# Altium PCB STM32F7_CoreBoard.PcbDoc (part 4 of 8) (continued)
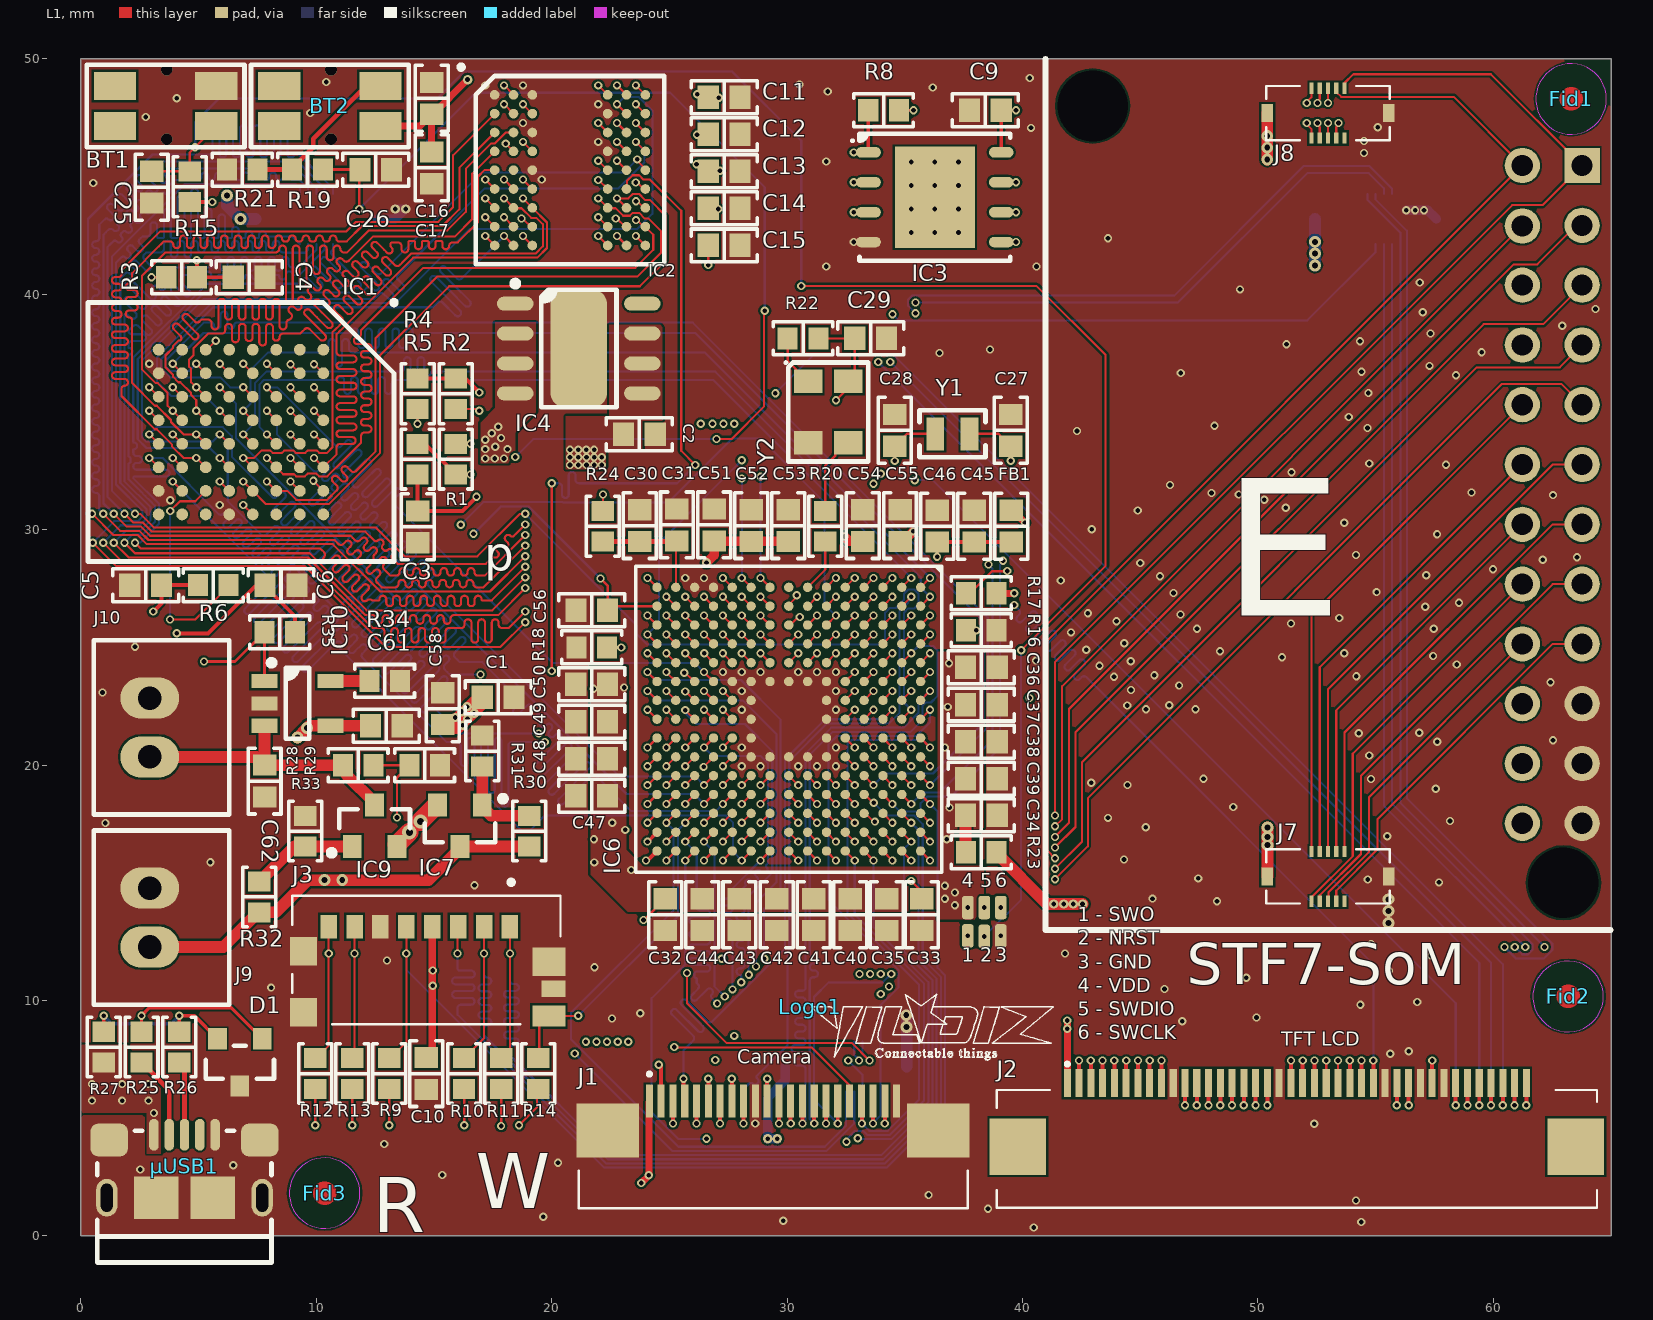
[diagram p0: L1 view]
## Nets (pads, with @x,y where several pads share a name; then routed paths per layer and width w, separated by ;. In a path a pad name is that pad's centre, name@x,y a point inside that pad or via, vN(x,y) a via of type N, cw(c..) or ccw(c..) an arc to the next point about the centre after c; other vN are vias at no path point) (continued)
  L3 w0.089: v1(4.9,35.05) 4.4,34.55 4.4,28.325 9.234,23.491 ccw(c9.336,23.593) 9.439,23.491 9.829,23.881 cw(c9.931,23.779) 10.033,23.881 cw(c9.931,23.779) 10.033,23.677 9.541,23.184 9.299,22.943 ccw(c9.401,22.841) 9.299,22.739 ccw(c9.401,22.841) 9.504,22.739 9.745,22.98 10.237,23.473 cw(c10.34,23.37) 10.442,23.473 cw(c10.34,23.37) 10.442,23.268 9.949,22.776 9.708,22.534 ccw(c9.81,22.432) 9.708,22.33 ccw(c9.81,22.432) 9.912,22.33 10.153,22.572 10.646,23.064 cw(c10.748,22.962) 10.85,23.064 cw(c10.748,22.962) 10.85,22.86 10.358,22.367 10.116,22.126 ccw(c10.218,22.024) 10.116,21.922 ccw(c10.218,22.024) 10.321,21.922 10.562,22.163 11.055,22.655 cw(c11.157,22.553) 11.259,22.655 cw(c11.157,22.553) 11.259,22.451 10.766,21.959 10.525,21.717 ccw(c10.627,21.615) 10.525,21.513 ccw(c10.627,21.615) 10.729,21.513 10.971,21.754 11.463,22.247 cw(c11.565,22.145) 11.667,22.247 cw(c11.565,22.145) 11.667,22.043 11.175,21.55 10.933,21.309 ccw(c11.036,21.207) 10.933,21.104 ccw(c11.036,21.207) 11.138,21.104 11.379,21.346 11.872,21.838 cw(c11.974,21.736) 12.076,21.838 cw(c11.974,21.736) 12.076,21.634 11.583,21.142 11.342,20.9 ccw(c11.444,20.798) 11.342,20.696 ccw(c11.444,20.798) 11.546,20.696 11.788,20.937 12.28,21.43 cw(c12.382,21.328) 12.485,21.43 cw(c12.382,21.328) 12.485,21.225 11.992,20.733 11.751,20.492 ccw(c11.853,20.389) 11.751,20.287 ccw(c11.853,20.389) 11.955,20.287 12.196,20.529 12.689,21.021 cw(c12.791,20.919) 12.893,21.021 cw(c12.791,20.919) 12.893,20.817 12.401,20.324 12.159,20.083 ccw(c12.261,19.981) 12.159,19.879 ccw(c12.261,19.981) 12.363,19.879 12.605,20.12 13.097,20.613 cw(c13.2,20.51) 13.302,20.613 cw(c13.2,20.51) 13.302,20.408 12.809,19.916 12.568,19.674 ccw(c12.67,19.572) 12.568,19.47 ccw(c12.67,19.572) 12.772,19.47 13.013,19.712 13.506,20.204 cw(c13.608,20.102) 13.71,20.204 cw(c13.608,20.102) 13.71,20 13.218,19.507 12.976,19.266 ccw(c13.078,19.164) 12.976,19.062 ccw(c13.078,19.164) 13.181,19.062 13.422,19.303 13.915,19.795 cw(c14.017,19.693) 14.119,19.795 cw(c14.017,19.693) 14.119,19.591 13.626,19.099 13.385,18.857 ccw(c13.487,18.755) 13.385,18.653 ccw(c13.487,18.755) 13.589,18.653 13.831,18.894 14.323,19.387 cw(c14.425,19.285) 14.527,19.387 cw(c14.425,19.285) 14.527,19.183 14.137,18.792 ccw(c14.239,18.69) 14.137,18.588 14.225,18.5 14.388,18.337 24.056,18.337 v1(24.07,18.352)
D11: IC1.G4 IC4.C2 IC6.P11 | length 97.1
  L1 w0.089: IC1.G4@4.3,34.65 3.683,35.267 3.683,35.809 3.263,36.229 3.179,36.229 2.592,36.816 2.592,40.78 3.595,41.783 8.275,41.783 ccw(c8.275,41.928) 8.419,41.928 cw(c8.564,41.928) 8.564,42.072 cw(c8.564,41.928) 8.708,41.928 8.708,41.783 8.708,39.799 ccw(c8.853,39.799) 8.853,39.655 ccw(c8.853,39.799) 8.997,39.799 8.997,41.783 8.997,41.928 cw(c9.142,41.928) 9.142,42.072 cw(c9.142,41.928) 9.286,41.928 9.286,41.783 9.286,40.472 ccw(c9.431,40.472) 9.431,40.328 ccw(c9.431,40.472) 9.575,40.472 9.575,41.783 9.575,41.928 cw(c9.719,41.928) 9.719,42.072 cw(c9.719,41.928) 9.864,41.928 9.864,41.783 9.864,41.002 ccw(c10.008,41.002) 10.008,40.857 ccw(c10.008,41.002) 10.153,41.002 10.153,41.783 10.153,41.928 cw(c10.297,41.928) 10.297,42.072 cw(c10.297,41.928) 10.442,41.928 10.442,41.783 10.442,41.593 ccw(c10.586,41.593) 10.586,41.449 ccw(c10.586,41.593) 10.731,41.593 10.731,41.783 10.731,41.928 cw(c10.875,41.928) 10.875,42.072 cw(c10.875,41.928) 11.02,41.928 ccw(c11.164,41.928) 11.164,41.783 11.308,41.783 12.239,42.714 15.564,42.714 16.35,43.5 16.35,45.328 17.435,46.413 17.592,46.413 18.053,46.875 IC4.C2@18.375,46.875 ; v1(24.87,19.152) IC6.P11@25.27,19.552
  L3 w0.089: v1(3.9,35.05) 4.222,34.728 4.222,27.544 4.333,27.433 4.381,27.385 cw(c4.279,27.283) 4.381,27.181 3.984,26.784 ccw(c4.086,26.681) 3.984,26.579 ccw(c4.086,26.681) 4.188,26.579 4.687,27.079 4.939,27.33 cw(c5.041,27.228) 5.143,27.33 cw(c5.041,27.228) 5.143,27.126 4.891,26.874 4.392,26.375 ccw(c4.494,26.273) 4.392,26.171 ccw(c4.494,26.273) 4.596,26.171 5.096,26.67 5.348,26.922 cw(c5.45,26.82) 5.552,26.922 cw(c5.45,26.82) 5.552,26.717 5.3,26.466 4.801,25.966 ccw(c4.903,25.864) 4.801,25.762 ccw(c4.903,25.864) 5.005,25.762 5.504,26.261 5.756,26.513 cw(c5.858,26.411) 5.96,26.513 cw(c5.858,26.411) 5.96,26.309 5.709,26.057 5.209,25.558 ccw(c5.311,25.456) 5.209,25.354 ccw(c5.311,25.456) 5.414,25.354 5.913,25.853 6.165,26.105 cw(c6.267,26.002) 6.369,26.105 cw(c6.267,26.002) 6.369,25.9 6.117,25.649 5.618,25.149 ccw(c5.72,25.047) 5.618,24.945 ccw(c5.72,25.047) 5.822,24.945 6.321,25.444 6.573,25.696 cw(c6.675,25.594) 6.778,25.696 cw(c6.675,25.594) 6.778,25.492 6.526,25.24 6.026,24.741 ccw(c6.129,24.639) 6.026,24.536 ccw(c6.129,24.639) 6.231,24.536 6.73,25.036 6.982,25.287 cw(c7.084,25.185) 7.186,25.287 cw(c7.084,25.185) 7.186,25.083 6.934,24.831 6.435,24.332 ccw(c6.537,24.23) 6.435,24.128 ccw(c6.537,24.23) 6.639,24.128 7.139,24.627 7.39,24.879 cw(c7.493,24.777) 7.595,24.879 cw(c7.493,24.777) 7.595,24.675 7.343,24.423 6.844,23.924 ccw(c6.946,23.821) 6.844,23.719 ccw(c6.946,23.821) 7.048,23.719 7.547,24.219 7.799,24.47 cw(c7.901,24.368) 8.003,24.47 cw(c7.901,24.368) 8.003,24.266 7.751,24.014 7.252,23.515 ccw(c7.354,23.413) 7.252,23.311 ccw(c7.354,23.413) 7.456,23.311 7.956,23.81 8.208,24.062 cw(c8.31,23.96) 8.412,24.062 cw(c8.31,23.96) 8.412,23.858 8.16,23.606 7.661,23.106 ccw(c7.763,23.004) 7.661,22.902 ccw(c7.763,23.004) 7.865,22.902 8.364,23.401 8.616,23.653 cw(c8.718,23.551) 8.82,23.653 cw(c8.718,23.551) 8.82,23.449 8.569,23.197 8.069,22.698 ccw(c8.171,22.596) 8.069,22.494 ccw(c8.171,22.596) 8.274,22.494 8.671,22.891 cw(c8.773,22.789) 8.875,22.891 13.728,18.038 24.192,18.038 24.506,18.352 24.506,18.788 v1(24.87,19.152)
D12: IC1.F5 IC4.C1 IC6.R11 | length 96.9
  L1 w0.089: IC1.F5@5.3,33.65 v1(4.9,34.05) 4.358,34.05 3.829,34.579 3.829,34.663 3.225,35.267 3.141,35.267 2.175,36.233 2.175,38.85 2.175,38.894 ccw(c2.047,38.894) 2.047,39.022 cw(c2.047,39.167) 1.903,39.167 cw(c2.047,39.167) 2.047,39.311 2.175,39.311 2.269,39.311 ccw(c2.269,39.456) 2.414,39.456 ccw(c2.269,39.456) 2.269,39.6 2.175,39.6 2.047,39.6 cw(c2.047,39.744) 1.903,39.744 cw(c2.047,39.744) 2.047,39.889 2.175,39.889 2.269,39.889 ccw(c2.269,40.033) 2.414,40.033 ccw(c2.269,40.033) 2.269,40.178 2.175,40.178 2.047,40.178 cw(c2.047,40.322) 1.903,40.322 cw(c2.047,40.322) 2.047,40.467 ccw(c2.047,40.594) 2.175,40.594 2.175,40.756 2.175,40.9 3.313,42.038 3.423,42.148 3.525,42.25 3.635,42.25 3.78,42.25 cw(c3.78,42.106) 3.924,42.106 ccw(c4.069,42.106) 4.069,41.961 ccw(c4.069,42.106) 4.213,42.106 4.213,42.25 4.213,42.353 cw(c4.358,42.353) 4.358,42.498 cw(c4.358,42.353) 4.502,42.353 4.502,42.25 4.502,42.106 ccw(c4.646,42.106) 4.646,41.961 ccw(c4.646,42.106) 4.791,42.106 4.791,42.25 4.791,42.353 cw(c4.935,42.353) 4.935,42.498 cw(c4.935,42.353) 5.08,42.353 5.08,42.25 5.08,42.106 ccw(c5.224,42.106) 5.224,41.961 ccw(c5.224,42.106) 5.369,42.106 5.369,42.25 5.369,42.353 cw(c5.513,42.353) 5.513,42.498 cw(c5.513,42.353) 5.658,42.353 5.658,42.25 5.658,42.106 ccw(c5.802,42.106) 5.802,41.961 ccw(c5.802,42.106) 5.946,42.106 5.946,42.25 5.946,42.353 cw(c6.091,42.353) 6.091,42.498 cw(c6.091,42.353) 6.235,42.353 6.235,42.25 6.235,42.106 ccw(c6.38,42.106) 6.38,41.961 ccw(c6.38,42.106) 6.524,42.106 6.524,42.25 6.524,42.353 cw(c6.669,42.353) 6.669,42.498 cw(c6.669,42.353) 6.813,42.353 6.813,42.25 6.813,42.106 ccw(c6.958,42.106) 6.958,41.961 ccw(c6.958,42.106) 7.102,42.106 7.102,42.25 7.102,42.353 cw(c7.247,42.353) 7.247,42.498 cw(c7.247,42.353) 7.391,42.353 7.391,42.25 7.391,42.106 ccw(c7.535,42.106) 7.535,41.961 ccw(c7.535,42.106) 7.68,42.106 7.68,42.25 7.68,42.353 cw(c7.824,42.353) 7.824,42.498 cw(c7.824,42.353) 7.969,42.353 7.969,42.25 7.969,42.106 ccw(c8.113,42.106) 8.113,41.961 ccw(c8.113,42.106) 8.258,42.106 8.258,42.25 8.258,42.353 cw(c8.402,42.353) 8.402,42.498 cw(c8.402,42.353) 8.547,42.353 ccw(c8.65,42.353) 8.65,42.25 8.732,42.25 ccw(c8.732,42.353) 8.835,42.353 cw(c8.98,42.353) 8.98,42.498 cw(c8.98,42.353) 9.124,42.353 ccw(c9.228,42.353) 9.228,42.25 9.31,42.25 ccw(c9.31,42.353) 9.413,42.353 cw(c9.558,42.353) 9.558,42.498 cw(c9.558,42.353) 9.702,42.353 ccw(c9.806,42.353) 9.806,42.25 9.888,42.25 ccw(c9.888,42.353) 9.991,42.353 cw(c10.136,42.353) 10.136,42.498 cw(c10.136,42.353) 10.28,42.353 ccw(c10.383,42.353) 10.383,42.25 10.465,42.25 ccw(c10.465,42.353) 10.569,42.353 cw(c10.713,42.353) 10.713,42.498 cw(c10.713,42.353) 10.858,42.353 ccw(c10.961,42.353) 10.961,42.25 11.147,42.25 11.291,42.25 11.941,42.9 15.361,42.9 16.075,43.614 16.075,45.375 IC4.C1@17.575,46.875 ; v1(24.07,19.152) IC6.R11@24.47,19.552
  L3 w0.089: v1(4.9,34.05) 4.592,33.742 4.592,29.574 5.508,28.658 5.61,28.556 5.712,28.454 cw(c5.61,28.351) 5.712,28.249 5.327,27.865 ccw(c5.43,27.763) 5.327,27.66 ccw(c5.43,27.763) 5.532,27.66 5.916,28.045 cw(c6.019,27.943) 6.121,28.045 cw(c6.019,27.943) 6.121,27.841 5.736,27.456 ccw(c5.838,27.354) 5.736,27.252 ccw(c5.838,27.354) 5.94,27.252 6.325,27.636 cw(c6.427,27.534) 6.529,27.636 cw(c6.427,27.534) 6.529,27.432 6.145,27.048 ccw(c6.247,26.945) 6.145,26.843 ccw(c6.247,26.945) 6.349,26.843 6.734,27.228 cw(c6.836,27.126) 6.938,27.228 cw(c6.836,27.126) 6.938,27.024 6.553,26.639 ccw(c6.655,26.537) 6.553,26.435 ccw(c6.655,26.537) 6.757,26.435 7.142,26.819 cw(c7.244,26.717) 7.346,26.819 cw(c7.244,26.717) 7.346,26.615 6.962,26.23 ccw(c7.064,26.128) 6.962,26.026 ccw(c7.064,26.128) 7.166,26.026 7.551,26.411 cw(c7.653,26.309) 7.755,26.411 cw(c7.653,26.309) 7.755,26.206 7.37,25.822 ccw(c7.472,25.72) 7.37,25.618 ccw(c7.472,25.72) 7.575,25.618 7.959,26.002 cw(c8.061,25.9) 8.164,26.002 cw(c8.061,25.9) 8.164,25.798 7.779,25.413 ccw(c7.881,25.311) 7.779,25.209 ccw(c7.881,25.311) 7.983,25.209 8.368,25.594 cw(c8.47,25.491) 8.572,25.594 cw(c8.47,25.491) 8.572,25.389 8.187,25.005 ccw(c8.29,24.903) 8.187,24.8 ccw(c8.29,24.903) 8.392,24.8 8.776,25.185 cw(c8.879,25.083) 8.981,25.185 cw(c8.879,25.083) 8.981,24.981 8.596,24.596 ccw(c8.698,24.494) 8.596,24.392 ccw(c8.698,24.494) 8.8,24.392 9.185,24.776 cw(c9.287,24.674) 9.389,24.776 cw(c9.287,24.674) 9.389,24.572 9.005,24.188 ccw(c9.107,24.085) 9.005,23.983 ccw(c9.107,24.085) 9.209,23.983 9.594,24.368 cw(c9.696,24.266) 9.798,24.368 9.9,24.266 10.104,24.061 10.308,23.857 10.513,23.653 10.566,23.6 15.028,19.137 15.35,19.137 15.389,19.137 cw(c15.389,18.993) 15.533,18.993 15.533,18.674 ccw(c15.677,18.674) 15.677,18.53 ccw(c15.677,18.674) 15.822,18.674 15.822,19.137 cw(c15.898,19.137) 15.898,19.213 16.035,19.213 cw(c16.035,19.137) 16.111,19.137 16.111,18.674 ccw(c16.255,18.674) 16.255,18.53 ccw(c16.255,18.674) 16.4,18.674 16.4,19.137 cw(c16.475,19.137) 16.475,19.213 16.613,19.213 cw(c16.613,19.137) 16.689,19.137 16.689,18.674 ccw(c16.833,18.674) 16.833,18.53 ccw(c16.833,18.674) 16.977,18.674 16.977,19.137 cw(c17.053,19.137) 17.053,19.213 17.191,19.213 cw(c17.191,19.137) 17.266,19.137 17.266,18.674 ccw(c17.411,18.674) 17.411,18.53 ccw(c17.411,18.674) 17.555,18.674 17.555,19.137 cw(c17.631,19.137) 17.631,19.213 17.768,19.213 cw(c17.768,19.137) 17.844,19.137 17.844,18.674 ccw(c17.989,18.674) 17.989,18.53 ccw(c17.989,18.674) 18.133,18.674 18.133,19.137 cw(c18.209,19.137) 18.209,19.213 18.346,19.213 cw(c18.346,19.137) 18.422,19.137 18.422,18.674 ccw(c18.566,18.674) 18.566,18.53 ccw(c18.566,18.674) 18.711,18.674 18.711,19.137 cw(c18.787,19.137) 18.787,19.213 18.924,19.213 cw(c18.924,19.137) 19,19.137 19,18.674 ccw(c19.144,18.674) 19.144,18.53 ccw(c19.144,18.674) 19.289,18.674 19.289,19.137 cw(c19.364,19.137) 19.364,19.213 19.502,19.213 cw(c19.502,19.137) 19.578,19.137 19.578,18.674 ccw(c19.722,18.674) 19.722,18.53 ccw(c19.722,18.674) 19.866,18.674 19.866,19.137 cw(c19.942,19.137) 19.942,19.213 20.08,19.213 cw(c20.08,19.137) 20.155,19.137 20.155,18.674 ccw(c20.3,18.674) 20.3,18.53 ccw(c20.3,18.674) 20.444,18.674 20.444,19.137 cw(c20.52,19.137) 20.52,19.213 20.657,19.213 cw(c20.657,19.137) 20.733,19.137 20.733,18.674 ccw(c20.878,18.674) 20.878,18.53 ccw(c20.878,18.674) 21.022,18.674 21.022,19.137 cw(c21.098,19.137) 21.098,19.213 21.235,19.213 cw(c21.235,19.137) 21.311,19.137 21.311,18.674 ccw(c21.455,18.674) 21.455,18.53 ccw(c21.455,18.674) 21.6,18.674 21.6,19.137 cw(c21.676,19.137) 21.676,19.213 21.813,19.213 cw(c21.813,19.137) 21.889,19.137 21.889,18.674 ccw(c22.033,18.674) 22.033,18.53 ccw(c22.033,18.674) 22.178,18.674 22.178,19.137 cw(c22.253,19.137) 22.253,19.213 22.391,19.213 cw(c22.391,19.137) 22.467,19.137 22.467,18.674 ccw(c22.611,18.674) 22.611,18.53 ccw(c22.611,18.674) 22.755,18.674 22.755,19.137 cw(c22.831,19.137) 22.831,19.213 22.969,19.213 cw(c22.969,19.137) 23.044,19.137 23.044,18.674 ccw(c23.189,18.674) 23.189,18.53 ccw(c23.189,18.674) 23.333,18.674 23.333,19.137 cw(c23.409,19.137) 23.409,19.213 23.546,19.213 cw(c23.546,19.137) 23.622,19.137 23.911,19.137 24.055,19.137 v1(24.07,19.152)
D13: IC1.G6 IC4.B2 IC6.L15 | length 95.9
  L1 w0.089: v1(3.9,33.05) IC1.G6@4.3,32.65 ; v1(17.975,48.075) IC4.B2@18.375,47.675 ; v1(27.27,15.952) IC6.L15@27.67,16.352
  L3 w0.089: v1(3.9,33.05) 3.9,33.486 3.028,34.358 2.653,34.358 2.058,34.953 2.058,39.044 7.132,44.118 7.234,44.22 7.336,44.322 cw(c7.438,44.22) 7.541,44.322 7.973,43.89 ccw(c8.075,43.992) 8.177,43.89 ccw(c8.075,43.992) 8.177,44.094 7.745,44.527 cw(c7.847,44.629) 7.745,44.731 cw(c7.847,44.629) 7.949,44.731 8.381,44.299 ccw(c8.484,44.401) 8.586,44.299 ccw(c8.484,44.401) 8.586,44.503 8.153,44.935 cw(c8.256,45.037) 8.153,45.139 cw(c8.256,45.037) 8.358,45.139 8.79,44.707 ccw(c8.892,44.809) 8.994,44.707 ccw(c8.892,44.809) 8.994,44.911 8.562,45.344 cw(c8.664,45.446) 8.562,45.548 cw(c8.664,45.446) 8.766,45.548 9.199,45.116 ccw(c9.301,45.218) 9.403,45.116 ccw(c9.301,45.218) 9.403,45.32 8.971,45.752 cw(c9.073,45.854) 8.971,45.957 cw(c9.073,45.854) 9.175,45.957 9.607,45.524 ccw(c9.709,45.626) 9.811,45.524 ccw(c9.709,45.626) 9.811,45.729 9.379,46.161 cw(c9.481,46.263) 9.379,46.365 cw(c9.481,46.263) 9.583,46.365 10.016,45.933 ccw(c10.118,46.035) 10.22,45.933 ccw(c10.118,46.035) 10.22,46.137 9.788,46.569 cw(c9.89,46.672) 9.788,46.774 9.89,46.876 10.039,47.025 11.089,48.075 v1(17.975,48.075)
  L4 w0.089: v1(3.9,33.05) 4.414,32.536 4.414,29.803 4.516,29.7 4.72,29.496 4.822,29.394 ccw(c4.925,29.496) 5.027,29.394 5.358,29.725 cw(c5.46,29.623) 5.562,29.725 cw(c5.46,29.623) 5.562,29.521 5.231,29.19 ccw(c5.333,29.088) 5.231,28.986 ccw(c5.333,29.088) 5.435,28.986 5.766,29.317 cw(c5.868,29.214) 5.971,29.317 cw(c5.868,29.214) 5.971,29.112 5.64,28.781 ccw(c5.742,28.679) 5.64,28.577 ccw(c5.742,28.679) 5.844,28.577 6.175,28.908 cw(c6.277,28.806) 6.379,28.908 cw(c6.277,28.806) 6.379,28.704 6.048,28.373 ccw(c6.15,28.271) 6.048,28.168 ccw(c6.15,28.271) 6.252,28.168 6.583,28.499 cw(c6.686,28.397) 6.788,28.499 cw(c6.686,28.397) 6.788,28.295 6.457,27.964 ccw(c6.559,27.862) 6.457,27.76 ccw(c6.559,27.862) 6.661,27.76 6.992,28.091 cw(c7.094,27.989) 7.196,28.091 cw(c7.094,27.989) 7.196,27.887 6.865,27.556 ccw(c6.967,27.453) 6.865,27.351 ccw(c6.967,27.453) 7.07,27.351 7.401,27.682 cw(c7.503,27.58) 7.605,27.682 cw(c7.503,27.58) 7.605,27.478 7.274,27.147 ccw(c7.376,27.045) 7.274,26.943 ccw(c7.376,27.045) 7.478,26.943 7.809,27.274 cw(c7.911,27.172) 8.013,27.274 cw(c7.911,27.172) 8.013,27.069 7.682,26.738 ccw(c7.785,26.636) 7.682,26.534 ccw(c7.785,26.636) 7.887,26.534 8.218,26.865 cw(c8.32,26.763) 8.422,26.865 cw(c8.32,26.763) 8.422,26.661 8.091,26.33 ccw(c8.193,26.228) 8.091,26.126 ccw(c8.193,26.228) 8.295,26.126 8.626,26.457 cw(c8.728,26.354) 8.831,26.457 cw(c8.728,26.354) 8.831,26.252 8.5,25.921 ccw(c8.602,25.819) 8.5,25.717 ccw(c8.602,25.819) 8.704,25.717 9.035,26.048 cw(c9.137,25.946) 9.239,26.048 cw(c9.137,25.946) 9.239,25.844 8.908,25.513 ccw(c9.01,25.411) 8.908,25.308 ccw(c9.01,25.411) 9.112,25.308 9.443,25.639 cw(c9.546,25.537) 9.648,25.639 cw(c9.546,25.537) 9.648,25.435 9.317,25.104 ccw(c9.419,25.002) 9.317,24.9 ccw(c9.419,25.002) 9.521,24.9 9.852,25.231 cw(c9.954,25.129) 10.056,25.231 cw(c9.954,25.129) 10.056,25.027 9.725,24.696 ccw(c9.827,24.593) 9.725,24.491 ccw(c9.827,24.593) 9.929,24.491 10.261,24.822 cw(c10.363,24.72) 10.465,24.822 cw(c10.363,24.72) 10.465,24.618 10.134,24.287 ccw(c10.236,24.185) 10.134,24.083 ccw(c10.236,24.185) 10.338,24.083 10.669,24.414 cw(c10.771,24.312) 10.873,24.414 cw(c10.771,24.312) 10.873,24.209 10.542,23.878 ccw(c10.644,23.776) 10.542,23.674 ccw(c10.644,23.776) 10.747,23.674 11.078,24.005 cw(c11.18,23.903) 11.282,24.005 cw(c11.18,23.903) 11.282,23.801 10.951,23.47 ccw(c11.053,23.368) 10.951,23.266 ccw(c11.053,23.368) 11.155,23.266 11.486,23.597 cw(c11.588,23.494) 11.691,23.597 cw(c11.588,23.494) 11.691,23.392 11.359,23.061 ccw(c11.462,22.959) 11.359,22.857 ccw(c11.462,22.959) 11.564,22.857 11.895,23.188 cw(c11.997,23.086) 12.099,23.188 cw(c11.997,23.086) 12.099,22.984 11.768,22.653 ccw(c11.87,22.551) 11.768,22.448 ccw(c11.87,22.551) 11.972,22.448 12.303,22.779 cw(c12.405,22.677) 12.508,22.779 cw(c12.405,22.677) 12.508,22.575 12.177,22.244 ccw(c12.279,22.142) 12.177,22.04 ccw(c12.279,22.142) 12.381,22.04 12.712,22.371 cw(c12.814,22.269) 12.916,22.371 cw(c12.814,22.269) 12.916,22.167 12.585,21.836 ccw(c12.687,21.733) 12.585,21.631 ccw(c12.687,21.733) 12.789,21.631 13.12,21.962 cw(c13.223,21.86) 13.325,21.962 cw(c13.223,21.86) 13.325,21.758 12.994,21.427 ccw(c13.096,21.325) 12.994,21.223 13.008,21.208 19.216,15 26.461,15 27.27,15.81 v1(27.27,15.952)
D14: IC1.F6 IC4.B1 IC6.L14 | length 96.7
  L1 w0.089: IC1.F6@5.3,32.65 v1(4.9,33.05) 4.358,33.05 3.875,33.533 3.875,33.617 3.225,34.267 3.141,34.267 1.725,35.683 1.725,35.827 1.725,35.988 cw(c1.853,35.988) 1.853,36.116 ccw(c1.853,36.261) 1.997,36.261 ccw(c1.853,36.261) 1.853,36.405 1.725,36.405 1.464,36.405 cw(c1.464,36.55) 1.319,36.55 cw(c1.464,36.55) 1.464,36.694 1.725,36.694 1.853,36.694 ccw(c1.853,36.838) 1.997,36.838 ccw(c1.853,36.838) 1.853,36.983 1.725,36.983 1.464,36.983 cw(c1.464,37.127) 1.319,37.127 cw(c1.464,37.127) 1.464,37.272 1.725,37.272 1.853,37.272 ccw(c1.853,37.416) 1.997,37.416 ccw(c1.853,37.416) 1.853,37.561 1.725,37.561 1.464,37.561 cw(c1.464,37.705) 1.319,37.705 cw(c1.464,37.705) 1.464,37.85 1.725,37.85 1.853,37.85 ccw(c1.853,37.994) 1.997,37.994 ccw(c1.853,37.994) 1.853,38.139 1.725,38.139 1.464,38.139 cw(c1.464,38.283) 1.319,38.283 cw(c1.464,38.283) 1.464,38.427 1.725,38.427 1.853,38.427 ccw(c1.853,38.572) 1.997,38.572 ccw(c1.853,38.572) 1.853,38.716 1.725,38.716 1.464,38.716 cw(c1.464,38.861) 1.319,38.861 cw(c1.464,38.861) 1.464,39.005 1.581,39.005 ccw(c1.581,39.15) 1.725,39.15 ccw(c1.581,39.15) 1.581,39.294 1.464,39.294 cw(c1.464,39.439) 1.319,39.439 cw(c1.464,39.439) 1.464,39.583 1.581,39.583 ccw(c1.581,39.727) 1.725,39.727 ccw(c1.581,39.727) 1.581,39.872 1.464,39.872 cw(c1.464,40.016) 1.319,40.016 cw(c1.464,40.016) 1.464,40.161 1.581,40.161 ccw(c1.581,40.305) 1.725,40.305 ccw(c1.581,40.305) 1.581,40.45 1.464,40.45 cw(c1.464,40.594) 1.319,40.594 cw(c1.464,40.594) 1.464,40.739 1.614,40.739 ccw(c1.614,40.85) 1.725,40.85 1.725,41.025 3.376,42.676 11.284,42.676 11.686,43.078 15.183,43.078 15.812,43.707 15.812,45.912 IC4.B1@17.575,47.675 ; v1(27.27,16.752) IC6.L14@27.67,17.152
  L4 w0.089: v1(4.9,33.05) 4.592,32.742 4.592,30.96 13.588,21.963 ccw(c13.69,22.065) 13.792,21.963 14.306,22.477 cw(c14.408,22.375) 14.51,22.477 cw(c14.408,22.375) 14.51,22.273 13.895,21.657 13.455,21.217 ccw(c13.557,21.115) 13.455,21.013 ccw(c13.557,21.115) 13.659,21.013 14.099,21.452 14.715,22.068 cw(c14.817,21.966) 14.919,22.068 cw(c14.817,21.966) 14.919,21.864 14.303,21.248 13.864,20.809 ccw(c13.966,20.706) 13.864,20.604 ccw(c13.966,20.706) 14.068,20.604 14.507,21.044 15.123,21.66 cw(c15.225,21.558) 15.327,21.66 cw(c15.225,21.558) 15.327,21.455 14.712,20.84 14.272,20.4 ccw(c14.374,20.298) 14.272,20.196 ccw(c14.374,20.298) 14.476,20.196 14.916,20.635 15.532,21.251 cw(c15.634,21.149) 15.736,21.251 cw(c15.634,21.149) 15.736,21.047 15.12,20.431 14.681,19.991 ccw(c14.783,19.889) 14.681,19.787 ccw(c14.783,19.889) 14.885,19.787 15.325,20.227 15.94,20.843 cw(c16.042,20.74) 16.145,20.843 cw(c16.042,20.74) 16.145,20.638 15.529,20.022 15.089,19.583 ccw(c15.191,19.481) 15.089,19.379 ccw(c15.191,19.481) 15.294,19.379 15.733,19.818 16.349,20.434 cw(c16.451,20.332) 16.553,20.434 cw(c16.451,20.332) 16.553,20.23 15.937,19.614 15.498,19.174 ccw(c15.6,19.072) 15.498,18.97 ccw(c15.6,19.072) 15.702,18.97 16.142,19.41 16.757,20.025 cw(c16.86,19.923) 16.962,20.025 cw(c16.86,19.923) 16.962,19.821 16.346,19.205 15.906,18.766 ccw(c16.009,18.664) 15.906,18.561 ccw(c16.009,18.664) 16.111,18.561 16.55,19.001 17.166,19.617 cw(c17.268,19.515) 17.37,19.617 cw(c17.268,19.515) 17.37,19.413 16.755,18.797 16.315,18.357 ccw(c16.417,18.255) 16.315,18.153 ccw(c16.417,18.255) 16.519,18.153 16.857,18.49 cw(c16.959,18.388) 17.061,18.49 17.163,18.388 20.351,15.2 26.409,15.2 26.962,15.753 26.962,16.443 v1(27.27,16.752)
D15: IC1.G7 IC4.A2 IC6.K15 | length 94.4
  L1 w0.089: v1(3.9,32.05) IC1.G7@4.3,31.65 ; v1(17.975,48.875) IC4.A2@18.375,48.475 ; v1(28.07,15.952) IC6.K15@28.47,16.352
  L3 w0.089: v1(3.9,32.05) 3.9,32.614 1.88,34.633 1.88,39.167 11.28,48.567 11.425,48.567 11.569,48.567 cw(c11.569,48.422) 11.713,48.422 11.713,48.397 ccw(c11.858,48.397) 11.858,48.253 ccw(c11.858,48.397) 12.002,48.397 12.002,48.567 12.002,48.886 cw(c12.147,48.886) 12.147,49.031 cw(c12.147,48.886) 12.291,48.886 12.291,48.567 12.291,48.397 ccw(c12.436,48.397) 12.436,48.253 ccw(c12.436,48.397) 12.58,48.397 12.58,48.567 12.58,48.886 cw(c12.725,48.886) 12.725,49.031 cw(c12.725,48.886) 12.869,48.886 12.869,48.567 12.869,48.397 ccw(c13.014,48.397) 13.014,48.253 ccw(c13.014,48.397) 13.158,48.397 13.158,48.567 13.158,48.886 cw(c13.302,48.886) 13.302,49.031 cw(c13.302,48.886) 13.447,48.886 13.447,48.567 13.447,48.397 ccw(c13.591,48.397) 13.591,48.253 ccw(c13.591,48.397) 13.736,48.397 13.736,48.567 13.736,48.886 cw(c13.88,48.886) 13.88,49.031 cw(c13.88,48.886) 14.025,48.886 14.025,48.567 14.025,48.397 ccw(c14.169,48.397) 14.169,48.253 ccw(c14.169,48.397) 14.314,48.397 14.314,48.567 14.314,48.886 cw(c14.458,48.886) 14.458,49.031 cw(c14.458,48.886) 14.602,48.886 14.602,48.711 ccw(c14.747,48.711) 14.747,48.567 14.875,48.567 17.667,48.567 v1(17.975,48.875)
  L6 w0.089: v1(3.9,32.05) 7.975,27.975 8.031,27.919 cw(c7.929,27.816) 8.031,27.714 6.98,26.662 ccw(c7.082,26.56) 6.98,26.458 ccw(c7.082,26.56) 7.184,26.458 8.338,27.612 8.392,27.666 cw(c8.494,27.564) 8.596,27.666 cw(c8.494,27.564) 8.596,27.462 8.542,27.408 7.388,26.254 ccw(c7.49,26.152) 7.388,26.05 ccw(c7.49,26.152) 7.593,26.05 8.746,27.204 8.801,27.258 cw(c8.903,27.156) 9.005,27.258 cw(c8.903,27.156) 9.005,27.053 8.951,26.999 7.797,25.845 ccw(c7.899,25.743) 7.797,25.641 ccw(c7.899,25.743) 8.001,25.641 9.155,26.795 9.209,26.849 cw(c9.311,26.747) 9.413,26.849 cw(c9.311,26.747) 9.413,26.645 9.359,26.591 8.205,25.437 ccw(c8.308,25.335) 8.205,25.232 ccw(c8.308,25.335) 8.41,25.232 9.564,26.386 9.618,26.441 cw(c9.72,26.338) 9.822,26.441 cw(c9.72,26.338) 9.822,26.236 9.768,26.182 8.614,25.028 ccw(c8.716,24.926) 8.614,24.824 ccw(c8.716,24.926) 8.818,24.824 9.972,25.978 10.026,26.032 cw(c10.128,25.93) 10.231,26.032 cw(c10.128,25.93) 10.231,25.828 10.176,25.774 9.023,24.62 ccw(c9.125,24.517) 9.023,24.415 ccw(c9.125,24.517) 9.227,24.415 10.381,25.569 10.435,25.623 cw(c10.537,25.521) 10.639,25.623 cw(c10.537,25.521) 10.639,25.419 10.585,25.365 9.431,24.211 ccw(c9.533,24.109) 9.431,24.007 ccw(c9.533,24.109) 9.635,24.007 10.789,25.161 10.843,25.215 cw(c10.946,25.113) 11.048,25.215 cw(c10.946,25.113) 11.048,25.011 ccw(c11.102,24.956) 11.048,24.902 11.198,24.752 11.3,24.65 12.143,23.807 12.143,23.786 18.719,17.21 19.06,17.21 19.71,17.86 27.398,17.86 27.708,17.55 27.708,16.314 v1(28.07,15.952)
DCMI_D0: IC6.H15 J1.2 | length 29.4
  L1 w0.089: IC6.H15@30.07,16.352 v1(30.47,15.952)
  L1 w0.169: v1(24.55,7.275) 24.65,7.175 J1.2@24.65,5.725
  L4 w0.089: v1(24.55,7.275) 24.55,9.536 24.652,9.638 24.856,9.842 24.959,9.945 ccw(c24.856,10.047) 24.959,10.149 24.837,10.27 cw(c24.939,10.372) 24.837,10.474 cw(c24.939,10.372) 25.042,10.474 25.163,10.353 ccw(c25.265,10.455) 25.367,10.353 25.469,10.455 25.674,10.66 25.694,10.681 26.058,11.044 26.058,11.54 26.078,11.56 26.18,11.662 ccw(c26.078,11.764) 26.18,11.866 26.054,11.992 cw(c26.156,12.094) 26.054,12.197 cw(c26.156,12.094) 26.258,12.197 26.487,11.968 26.681,11.773 ccw(c26.784,11.876) 26.886,11.773 ccw(c26.784,11.876) 26.886,11.978 26.691,12.172 26.463,12.401 cw(c26.565,12.503) 26.463,12.605 cw(c26.565,12.503) 26.667,12.605 26.895,12.377 27.133,12.139 ccw(c27.235,12.241) 27.337,12.139 ccw(c27.235,12.241) 27.337,12.343 27.1,12.581 26.871,12.809 cw(c26.973,12.912) 26.871,13.014 cw(c26.973,12.912) 27.075,13.014 27.304,12.785 27.542,12.547 ccw(c27.644,12.65) 27.746,12.547 ccw(c27.644,12.65) 27.746,12.752 27.508,12.99 27.28,13.218 cw(c27.382,13.32) 27.28,13.422 cw(c27.382,13.32) 27.484,13.422 27.712,13.194 27.95,12.956 ccw(c28.052,13.058) 28.155,12.956 ccw(c28.052,13.058) 28.155,13.16 27.917,13.398 27.688,13.627 cw(c27.79,13.729) 27.688,13.831 cw(c27.79,13.729) 27.893,13.831 28.121,13.602 28.359,13.365 ccw(c28.461,13.467) 28.563,13.365 ccw(c28.461,13.467) 28.563,13.569 28.325,13.807 28.097,14.035 cw(c28.199,14.137) 28.097,14.239 cw(c28.199,14.137) 28.301,14.239 28.53,14.011 28.767,13.773 ccw(c28.87,13.875) 28.972,13.773 ccw(c28.87,13.875) 28.972,13.977 28.734,14.215 28.505,14.444 cw(c28.608,14.546) 28.505,14.648 cw(c28.608,14.546) 28.71,14.648 28.938,14.42 29.176,14.182 ccw(c29.278,14.284) 29.38,14.182 ccw(c29.278,14.284) 29.38,14.386 29.142,14.624 28.914,14.852 cw(c29.016,14.954) 28.914,15.057 cw(c29.016,14.954) 29.118,15.057 29.347,14.828 29.585,14.59 ccw(c29.687,14.692) 29.789,14.59 ccw(c29.687,14.692) 29.789,14.795 29.551,15.032 29.323,15.261 cw(c29.425,15.363) 29.323,15.465 cw(c29.425,15.363) 29.527,15.465 29.755,15.237 29.993,14.999 ccw(c30.095,15.101) 30.197,14.999 ccw(c30.095,15.101) 30.197,15.203 29.959,15.441 29.725,15.676 cw(c29.827,15.778) 29.725,15.88 cw(c29.827,15.778) 29.929,15.88 30.062,15.747 ccw(c30.164,15.85) 30.266,15.747 30.368,15.85 v1(30.47,15.952)